# Altium PCB S7CAS-PLEIADES-CARTE-MERE_P07 - BACKUP.PcbDoc (part 1 of 3) (continued)
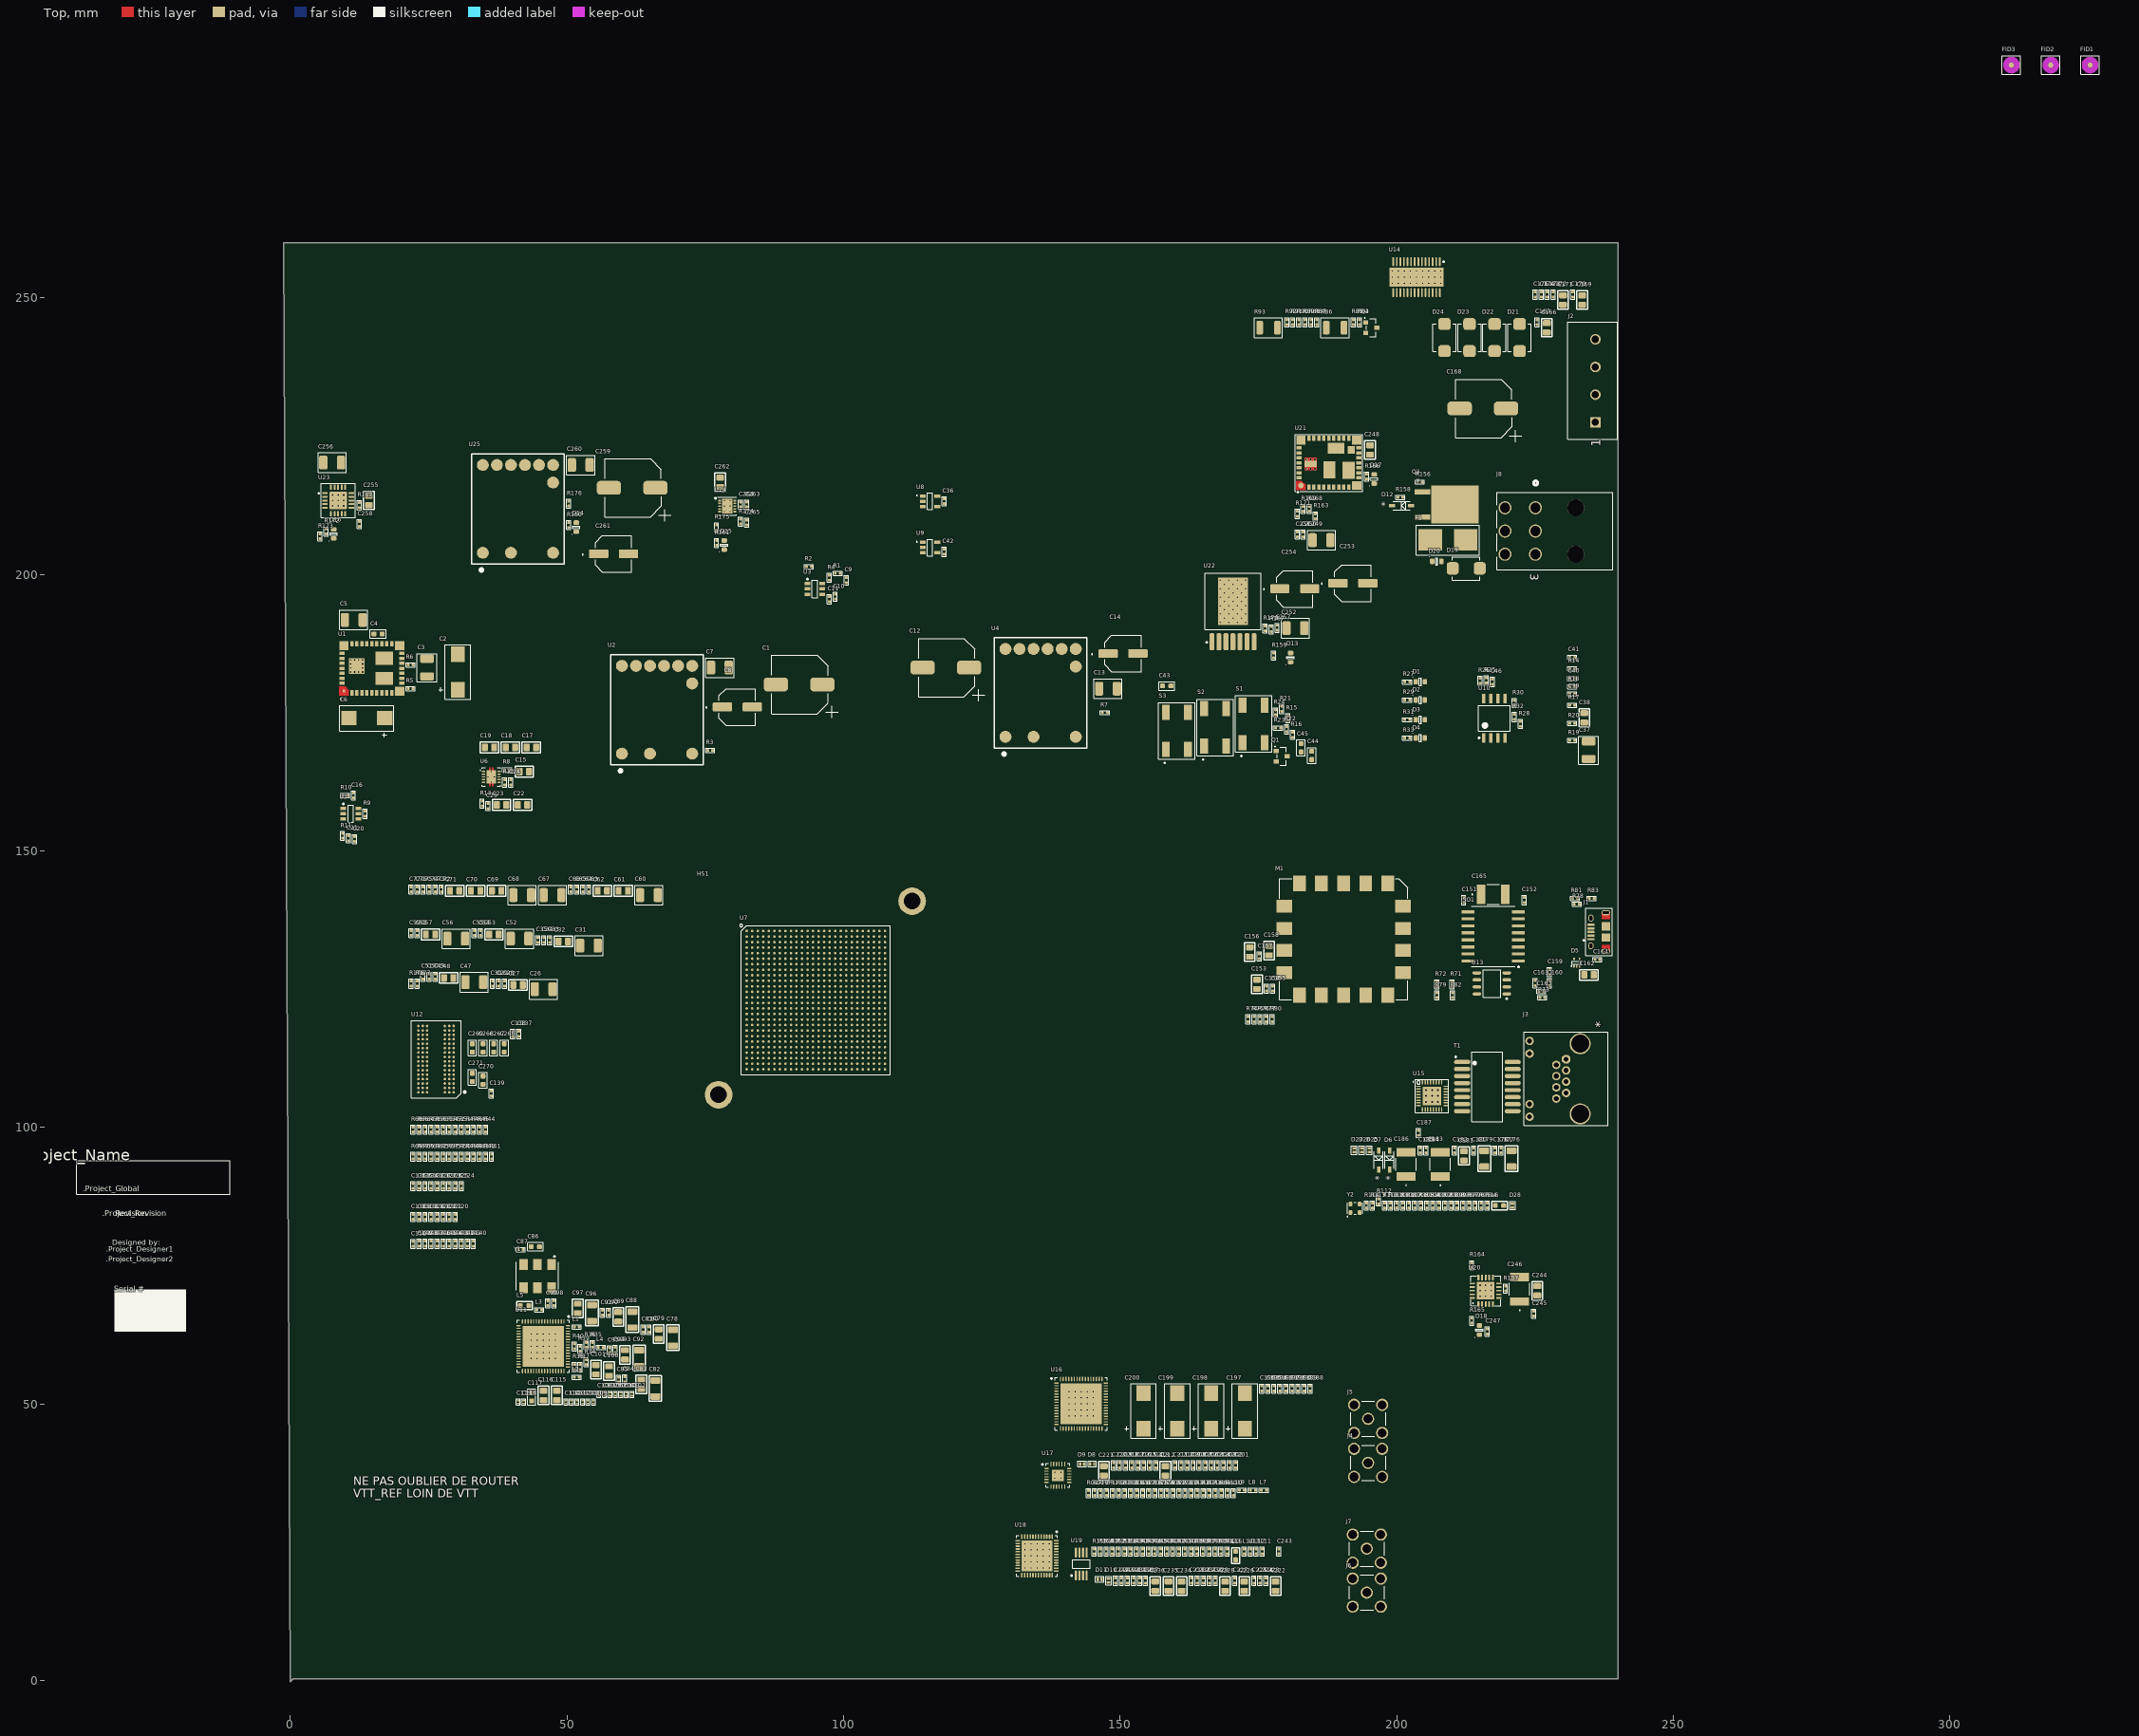
[diagram p0: Top view]
## Components (designator, comment, footprint, x,y, rotation, side; value= is the part's Value field where it differs from the comment) (continued)
C123 "CAP - 0402" CAP_0402 26.541,83.796 r90 top value=100nF
C124 "CAP - 0402" CAP_0402 30.91,89.384 r90 top value=470pF
C125 "CAP - 0402" CAP_0402 29.818,89.384 r90 top value=100nF
C126 "CAP - 0402" CAP_0402 28.725,89.384 r90 top value=100nF
C127 "CAP - 0402" CAP_0402 27.633,89.384 r90 top value=100nF
C128 "CAP - 0402" CAP_0402 26.541,89.384 r90 top value=470pF
C129 "CAP - 0402" CAP_0402 25.449,83.796 r90 top value=100nF
C130 "CAP - 0402" CAP_0402 24.357,83.796 r90 top value=100nF
C131 "CAP - 0402" CAP_0402 23.264,83.796 r90 top value=100nF
C132 "CAP - 0402" CAP_0402 25.449,89.384 r90 top value=100nF
C133 "CAP - 0402" CAP_0402 22.172,83.796 r90 top value=100nF
C134 "CAP - 0402" CAP_0402 24.357,89.384 r90 top value=470pF
C135 "CAP - 0402" CAP_0402 23.264,89.384 r90 top value=100nF
C136 "CAP - 0402" CAP_0402 22.172,89.384 r90 top value=470pF
C137 "CAP - 0402" CAP_0402 41.285,116.896 r90 top value=100nF
C138 "CAP - 0402" CAP_0402 40.192,116.896 r90 top value=100nF
C139 "CAP - 0402" CAP_0402 36.338,106.141 r90 top value=100nF
C140 "CAP - 0402" CAP_0402 33.094,78.97 r90 top value=10nF
C141 "CAP - 0402" CAP_0402 32.002,78.97 r90 top value=470pF
C142 "CAP - 0402" CAP_0402 30.91,78.97 r90 top value=10nF
C143 "CAP - 0402" CAP_0402 29.818,78.97 r90 top value=470pF
C144 "CAP - 0402" CAP_0402 28.725,78.97 r90 top value=10nF
C145 "CAP - 0402" CAP_0402 27.633,78.97 r90 top value=470pF
C146 "CAP - 0402" CAP_0402 26.541,78.97 r90 top value=10nF
C147 "CAP - 0402" CAP_0402 25.449,78.97 r90 top value=470pF
C148 "CAP - 0402" CAP_0402 24.357,78.97 r90 top value=10nF
C149 "CAP - 0402" CAP_0402 23.264,78.97 r90 top value=470pF
C150 "CAP - 0402" CAP_0402 22.172,78.907 r90 top value=100pF
C151 "CAP - 0402" CAP_0402 212.136,141.108 r270 top value=100nF
C152 "CAP - 0402" CAP_0402 223.058,141.108 r270 top value=100nF
C153 "CAP - 0805" CAP_0805 174.745,125.854 r270 top value=10uF
C154 "CAP - 0402" CAP_0402 176.485,125.092 r270 top value=100nF
C155 "CAP - 0402" CAP_0402 177.577,125.092 r270 top value=100nF
C156 "CAP - 0805" CAP_0805 173.449,131.696 r270 top value=10uF
C157 "CAP - 0402" CAP_0402 175.189,130.934 r270 top value=100nF
C158 "CAP - 0805" CAP_0805 176.929,131.95 r270 top value=10uF
C159 "CAP - 0402" CAP_0402 227.63,128.071 r270 top value=100nF
C160 "CAP - 0402" CAP_0402 227.63,126.09 r270 top value=100nF
C161 "CAP - 0402" CAP_0402 225.09,126.09 r270 top value=100nF
C162 "CAP - 0805" CAP_0805 234.783,127.562 r180 top value=10uF
C163 "CAP - 0402" CAP_0402 226.169,124.553 r180 top value=100nF
C164 "CAP - 0402" CAP_0402 236.307,130.312 r180 top value=100nF
C165 "CAP - 1812" CAP_1812 217.47,142.124 r0 top value=1nF
C166 "CAP - 0805" CAP_0805 227.148,244.596 r90 top value=220nF
C167 "CAP - 0402" CAP_0402 225.408,245.612 r90 top value=100nF
C168 "MAL215099101E3" CAP_ALU_1010_VISHAY 211.396,230 r0 top value=100uF
C169 "CAP - 0805" CAP_0805 233.545,249.596 r90 top value=220nF
C170 "CAP - 0402" CAP_0402 231.805,250.612 r90 top value=100nF
C171 "CAP - 0805" CAP_0805 230.065,249.596 r90 top value=220nF
C172 "CAP - 0402" CAP_0402 228.325,250.612 r90 top value=100nF
C173 "CAP - 0402" CAP_0402 227.233,250.612 r90 top value=1nF
C174 "CAP - 0402" CAP_0402 226.141,250.612 r90 top value=1nF
C175 "CAP - 0402" CAP_0402 225.049,250.612 r90 top value=100nF
C176 "CAP - 1206" CAP_1206 220.78,94.329 r90 top value=22uF
C177 "CAP - 0402" CAP_0402 218.862,95.853 r90 top value=100nF
C178 "CAP - 0402" CAP_0402 217.77,95.853 r90 top value=100nF
C179 "CAP - 1206" CAP_1206 215.852,94.329 r90 top value=22uF
C180 "CAP - 0402" CAP_0402 213.935,95.853 r90 top value=2.2uF
C181 "CAP - 0805" CAP_0805 212.195,94.837 r90 top value=10uF
C182 "CAP - 0402" CAP_0402 210.455,95.853 r90 top value=100nF
C183 "CAP - 1812" CAP_1812 207.902,93.313 r90 top value=1nF
C184 "CAP - 0402" CAP_0402 205.349,95.853 r90 top value=1uF
C185 "CAP - 0402" CAP_0402 204.257,95.853 r90 top value=1uF
C186 "CAP - 1812" CAP_1812 201.705,93.313 r90 top value=1nF
C187 "CAP - 0402" CAP_0402 203.947,98.981 r90 top value=10nF
C188 "CAP - 0402" CAP_0402 184.365,52.774 r90 top value=100nF
C189 "CAP - 0402" CAP_0402 183.273,52.774 r90 top value=100nF
C190 "CAP - 0402" CAP_0402 182.181,52.774 r90 top value=100nF
C191 "CAP - 0402" CAP_0402 181.089,52.774 r90 top value=1nF
C192 "CAP - 0402" CAP_0402 179.996,52.774 r90 top value=1nF
C193 "CAP - 0402" CAP_0402 178.904,52.774 r90 top value=1nF
C194 "CAP - 0402" CAP_0402 177.812,52.774 r90 top value=39pF
C195 "CAP - 0402" CAP_0402 176.72,52.774 r90 top value=100nF
C196 "CAP - 0402" CAP_0402 175.628,52.774 r90 top value=1nF
C197 "CAP - TANTALUM - CASE D" CAP_TAN_2917(D) 172.58,48.71 r90 top value=10uF
C198 "CAP - TANTALUM - CASE D" CAP_TAN_2917(D) 166.471,48.71 r90 top value=10uF
C199 "CAP - TANTALUM - CASE D" CAP_TAN_2917(D) 160.363,48.71 r90 top value=10uF
C200 "CAP - TANTALUM - CASE D" CAP_TAN_2917(D) 154.255,48.71 r90 top value=10uF
C201 "CAP - 0402" CAP_0402 170.865,38.883 r90 top value=100nF
C202 "CAP - 0402" CAP_0402 169.773,38.883 r90 top value=100nF
C203 "CAP - 0402" CAP_0402 168.681,38.883 r90 top value=100nF
C204 "CAP - 0402" CAP_0402 167.588,38.883 r90 top value=1nF
C205 "CAP - 0402" CAP_0402 166.496,38.883 r90 top value=1nF
C206 "CAP - 0402" CAP_0402 165.404,38.883 r90 top value=1nF
C207 "CAP - 0402" CAP_0402 164.312,38.883 r90 top value=39pF
C208 "CAP - 0402" CAP_0402 163.22,38.883 r90 top value=100nF
C209 "CAP - 0402" CAP_0402 162.127,38.883 r90 top value=1nF
C210 "CAP - 0402" CAP_0402 161.035,38.883 r90 top value=100nF
C211 "CAP - 0402" CAP_0402 159.943,38.883 r90 top value=100nF
C212 "CAP - 0805" CAP_0805 158.203,37.867 r90 top value=10uF
C213 "CAP - 0402" CAP_0402 156.463,38.883 r90 top value=100nF
C214 "CAP - 0402" CAP_0402 155.371,38.883 r90 top value=100nF
C215 "CAP - 0402" CAP_0402 154.279,38.883 r90 top value=10nF
C216 "CAP - 0402" CAP_0402 153.187,38.883 r90 top value=10nF
C217 "CAP - 0402" CAP_0402 152.094,38.883 r90 top value=10nF
C218 "CAP - 0402" CAP_0402 151.002,38.883 r90 top value=10nF
C219 "CAP - 0402" CAP_0402 149.91,38.883 r90 top value=10nF
C220 "CAP - 0402" CAP_0402 148.818,38.883 r90 top value=10nF
C221 "CAP - 0805" CAP_0805 147.078,37.867 r90 top value=10uF
C222 "CAP - 0805" CAP_0805 178.131,17.016 r90 top value=10uF
C223 "CAP - 0402" CAP_0402 176.391,18.032 r90 top value=100nF
C224 "CAP - 0402" CAP_0402 175.299,18.032 r90 top value=39pF
C225 "CAP - 0402" CAP_0402 174.207,18.032 r90 top value=100nF
C226 "CAP - 0805" CAP_0805 172.467,17.016 r90 top value=10uF
C227 "CAP - 0402" CAP_0402 170.727,18.032 r90 top value=39pF
C228 "CAP - 0805" CAP_0805 168.987,17.016 r90 top value=10uF
C229 "CAP - 0402" CAP_0402 167.247,18.032 r90 top value=10nF
C230 "CAP - 0402" CAP_0402 166.155,18.032 r90 top value=10nF
C231 "CAP - 0402" CAP_0402 165.063,18.032 r90 top value=10nF
C232 "CAP - 0402" CAP_0402 163.971,18.032 r90 top value=10nF
C233 "CAP - 0402" CAP_0402 162.878,18.032 r90 top value=100nF
C234 "CAP - 0805" CAP_0805 161.139,17.016 r90 top value=10uF
C235 "CAP - 0805" CAP_0805 158.751,17.016 r90 top value=10uF
C236 "CAP - 0805" CAP_0805 156.363,17.016 r90 top value=10uF
C237 "CAP - 0402" CAP_0402 154.623,18.032 r90 top value=100nF
C238 "CAP - 0402" CAP_0402 153.531,18.032 r90 top value=100nF
C239 "CAP - 0402" CAP_0402 152.439,18.032 r90 top value=100nF
C240 "CAP - 0402" CAP_0402 151.347,18.032 r90 top value=100nF
C241 "CAP - 0402" CAP_0402 150.255,18.032 r90 top value=100nF
C242 "CAP - 0402" CAP_0402 149.162,18.032 r90 top value=100nF
C243 "CAP - 0402" CAP_0402 178.681,23.307 r90 top value=100nF
C244 "CAP - 0805" CAP_0805 225.44,70.448 r90 top value=10uF
C245 "CAP - 0402" CAP_0402 224.792,66.32 r90 top value=10nF
C246 "CAP - 1812" CAP_1812 222.239,70.702 r90 top value=20uF
C247 "CAP - 0402" CAP_0402 216.366,63.082 r90 top value=100nF
C248 "CAP - 0805" CAP_0805 195.203,222.492 r90 top value=10uF
C249 "CAP - 1210" CAP_1210 186.405,206.192 r0 top value=220uF
C250 "CAP - 0402" CAP_0402 183.117,207.208 r90 top value=1uF
C251 "CAP - 0402" CAP_0402 182.025,207.208 r90 top value=1uF
C252 "CAP - 1210" CAP_1210 181.701,190.284 r0 top value=47uF
C253 "EEE-FNE181XUP" CAP_ALU_D8 192.094,198.412 r0 top value=180uF
C254 "EEE-FNE181XUP" CAP_ALU_D8 181.585,197.396 r0 top value=180uF
C255 "CAP - 0805" CAP_0805 14.187,213.36 r90 top value=10uF
C256 "CAP - 1210" CAP_1210 7.559,220.218 r0 top value=47uF
C257 "CAP - 0402" CAP_0402 178.414,190.348 r90 top value=1nF
C258 "CAP - 0402" CAP_0402 12.447,209.105 r90 top value=1uF
C259 "MAL214699501E3" CAP_ALU_1010_VISHAY 57.594,215.646 r0 top value=330uF
C260 "CAP - 1210" CAP_1210 52.5,219.773 r0 top value=100uF
C261 "EEE-FKC151XAP" CAP_ALU_D8 58.433,203.708 r0 top value=150uF
C262 "CAP - 0805" CAP_0805 77.703,216.654 r90 top value=10uF
C263 "CAP - 0402" CAP_0402 82.476,212.653 r90 top value=1uF
C264 "CAP - 0402" CAP_0402 81.384,212.653 r90 top value=1uF
C265 "CAP - 0402" CAP_0402 82.476,209.351 r90 top value=1nF
C266 "CAP - 0603" CAP_0603 38.683,114.356 r90 top value=1uF
C267 "CAP - 0603" CAP_0603 36.756,114.356 r90 top value=1uF
C268 "CAP - 0603" CAP_0603 34.829,114.356 r90 top value=1uF
C269 "CAP - 0603" CAP_0603 32.902,114.356 r90 top value=1uF
C270 "CAP - 0603" CAP_0603 34.829,108.514 r90 top value=1uF
C271 "CAP - 0603" CAP_0603 32.902,109.035 r90 top value=1uF
D1 "SML-311UTT86" LED_0603 204.298,180.574 r0 top value=RED
D2 "SML-311UTT86" LED_0603 204.298,177.272 r0 top value=RED
D3 "SML-311UTT86" LED_0603 204.298,173.716 r0 top value=RED
D4 "SML-311UTT86" LED_0603 204.298,170.414 r0 top value=RED
D5 "TPD2E001DRLR" TVS_USB_TPD2E001DRLR 232.573,129.807 r90 top value="11V Breakdown"
D6 "1N4148W-13-F" SOD123_DIO 198.718,94.075 r90 top
D7 "1N4148W-13-F" SOD123_DIO 196.759,94.075 r90 top
D8 "TPD1E1B04DPYR" TVS_DATA_TPD1E1B04DPYR 144.969,39.137 r0 top
D9 "TPD1E1B04DPYR" TVS_DATA_TPD1E1B04DPYR 143.139,39.137 r0 top
D10 "TPD1E1B04DPYR" TVS_DATA_TPD1E1B04DPYR 147.926,18.032 r90 top
D11 "TPD1E1B04DPYR" TVS_DATA_TPD1E1B04DPYR 146.321,18.286 r0 top
D12 "BZT52C12-7-F" SOD123_DIO 200.925,212.423 r0 top
D13 "SML-311UTT86" LED_0603 180.828,184.95 r90 top value=RED
D14 "SML-311UTT86" LED_0603 51.691,208.534 r90 top value=RED
D15 "SML-311UTT86" LED_0603 78.442,205.295 r90 top value=RED
D16 "SML-311UTT86" LED_0603 7.842,207.327 r90 top value=RED
D17 "SML-311UTT86" LED_0603 195.941,217.241 r90 top value=RED
D18 "SML-311UTT86" LED_0603 214.98,63.336 r90 top value=RED
D19 "SMBJ24CA" TVS_PWR_SMBJ36CA 212.584,201.081 r0 top value="Vbr = 26.7V -  Clamp = 38.9V"
D20 "SML-311DTT86" LED_0603 207.25,202.346 r0 top value=ORANGE
D21 "SMBJ24CA" TVS_PWR_SMBJ36CA 222.237,242.818 r90 top value="Vbr = 26.7V -  Clamp = 38.9V"
D22 "SMBJ24CA" TVS_PWR_SMBJ36CA 217.707,242.818 r90 top value="Vbr = 26.7V -  Clamp = 38.9V"
D23 "SMBJ24CA" TVS_PWR_SMBJ36CA 213.177,242.818 r90 top value="Vbr = 26.7V -  Clamp = 38.9V"
D24 "SMBJ24CA" TVS_PWR_SMBJ36CA 208.647,242.818 r90 top value="Vbr = 26.7V -  Clamp = 38.9V"
D25 "TPD1E1B04DPYR" TVS_DATA_TPD1E1B04DPYR 195.089,95.853 r90 top
D26 "TPD1E1B04DPYR" TVS_DATA_TPD1E1B04DPYR 193.708,95.853 r90 top
D27 "TPD1E1B04DPYR" TVS_DATA_TPD1E1B04DPYR 192.328,95.853 r90 top
D28 "TPD1E1B04DPYR" TVS_DATA_TPD1E1B04DPYR 220.948,85.853 r90 top
F1 "0154005.DR" FUS_0154XXX.DR 209.282,206.235 r0 top value="5A 125V AC/DC FAST"
FID1 "FID 1MM" FID_CIRCLE_1MM 325.374,292.1 r0 top
FID2 "FID 1MM" FID_CIRCLE_1MM 318.262,292.1 r0 top
FID3 "FID 1MM" FID_CIRCLE_1MM 311.15,292.1 r0 top
HS1 "CPX030030025-172-C1-R0" THE_HS_ATS-CPX030030025-172-C1-R0 94.912,123.396 r0 top
ISO1 "ADUM3160BRWZ-RL" ISO_ADUM3160BRWZ-RL 217.47,134.527 r180 top value="2500Vrms voltage isolation"
J1 "10118194-0001LF" CON_USB_10118194-0001LF 237.831,135.324 r90 top value="USB - Micro B"
J2 "OSTTC040162" CONN_TERMINAL_OSTTA040161 235.941,235 r90 top
J3 "RJHSE-5385" CONN_ETHERNET_RJHSE-5385 230.648,108.76 r90 top
J4 "5-1814400-1" CONN_SMA_5-1814400-1 194.852,39.325 r270 top
J5 "5-1814400-1" CONN_SMA_5-1814400-1 194.852,47.274 r270 top
J6 "5-1814400-1" CONN_SMA_5-1814400-1 194.61,15.854 r270 top
J7 "5-1814400-1" CONN_SMA_5-1814400-1 194.61,23.803 r270 top
J8 "39-30-1060" CONN_MOL_39-30-1060 225.096,212.04 r270 top
L1 "FER - 0402" FER_0402 51.76,63.921 r180 top value=1k
L2 "FER - 0402" FER_0402 51.76,54.831 r180 top value=1k
L3 "FER - 0402" FER_0402 44.994,66.998 r180 top value=1k
L4 "FER - 0402" FER_0402 56.128,60.186 r180 top value=1k
L5 "FER - 0603" FER_0603 42.34,67.76 r180 top value=100R
L6 "FER - 0603" FER_0603 218.594,85.853 r0 top value=100R
L7 "IND_0402" IND_0402 175.999,34.391 r0 top value=220nH
L8 "IND_0402" IND_0402 174.017,34.391 r0 top value=220nH
L9 "IND_0402" IND_0402 172.036,34.391 r0 top value=220nH
L10 "IND_0402" IND_0402 170.499,33.883 r90 top value=220nH
L11 "IND_0402" IND_0402 175.709,23.307 r90 top value=220nH
L12 "IND_0402" IND_0402 174.616,23.307 r90 top value=220nH
L13 "IND_0402" IND_0402 173.524,23.307 r90 top value=220nH
L14 "IND_0402" IND_0402 172.432,23.307 r90 top value=220nH
L15 "FER - 0603" FER_0603 170.895,22.545 r90 top value=100R
M1 "410-357-B" MOD_JTAG_410-357-B 190.42,133.982 r180 top
Q1 "SI2324A-TP" TRX_NMOS_SI324A-TP 179.221,167.112 r0 top
Q2 "SI2324A-TP" TRX_NMOS_SI324A-TP 195.43,244.596 r0 top
Q3 "IRFR9024TRPBF" TRX_PMOS_IRFR9024TRPBF 210.501,212.642 r270 top
R1 "RES - 0402" RES_0402 98.951,200.152 r0 top value=100k
R2 "RES - 0402" RES_0402 93.766,201.422 r0 top value=100k
R3 "RES - 0402" RES_0402 75.895,168.148 r0 top value=12k1
R4 "RES - 0402" RES_0402 97.415,199.39 r90 top value=15k
R5 "RES - 0402" RES_0402 21.724,179.324 r0 top value=348k
R6 "RES - 0402" RES_0402 21.724,183.642 r0 top value=1k15
R7 "RES - 0402" RES_0402 147.256,175.006 r0 top value=6k98
R8 "RES - 0402" RES_0402 39.214,164.646 r0 top value=100k
R9 "RES - 0402" RES_0402 13.515,156.718 r90 top value=100k
R10 "RES - 0402" RES_0402 9.866,160.02 r180 top value=100k
R11 "RES - 0402" RES_0402 9.422,152.718 r90 top value=45K3
R12 "RES - 0402" RES_0402 38.77,162.376 r90 top value=10k
R13 "RES - 0402" RES_0402 34.653,158.55 r90 top value=10k
R14 "RES - 0402" RES_0402 231.744,182.944 r180 top value=330R
R15 "RES - 0402" RES_0402 180.33,174.033 r90 top value=10k
R16 "RES - 0402" RES_0402 181.219,170.985 r90 top value=100k
R17 "RES - 0402" RES_0402 231.744,176.34 r180 top value=4K7
R18 "RES - 0402" RES_0402 231.744,179.642 r180 top value=4K7
R19 "RES - 0402" RES_0402 231.744,169.99 r180 top value=4K7
R20 "RES - 0402" RES_0402 231.744,173.038 r180 top value=4K7
R21 "RES - 0402" RES_0402 179.238,175.694 r270 top value=100k
R22 "RES - 0402" RES_0402 180.127,172.001 r90 top value=10k
R23 "RES - 0402" RES_0402 178.59,172.192 r180 top value=100k
R24 "RES - 0402" RES_0402 178.146,175.059 r90 top value=10k
R25 "RES - 0402" RES_0402 216.21,180.828 r270 top value=100R
R26 "RES - 0402" RES_0402 215.117,180.764 r270 top value=2K4
R27 "RES - 0402" RES_0402 201.93,180.574 r180 top value=187R
R28 "RES - 0402" RES_0402 222.368,172.954 r90 top value=0R
R29 "RES - 0402" RES_0402 201.93,177.272 r180 top value=187R
R30 "RES - 0402" RES_0402 221.276,176.764 r90 top value=33R
R31 "RES - 0402" RES_0402 201.93,173.716 r180 top value=187R
R32 "RES - 0402" RES_0402 221.276,174.224 r90 top value=100R
R33 "RES - 0402" RES_0402 201.93,170.414 r180 top value=187R
R34 "RES - 0402" RES_0402 53.5,57.536 r90 top value=1k
R35 "RES - 0402" RES_0402 54.592,60.648 r90 top value=1k
R36 "RES - 0402" RES_0402 53.5,60.648 r90 top value=1k
R37 "RES - 0402" RES_0402 52.407,56.644 r90 top value=0R
R38 "RES - 0402" RES_0402 51.315,56.644 r90 top
R39 "RES - 0402" RES_0402 52.407,59.949 r90 top value=0R
R40 "RES - 0402" RES_0402 51.315,60.394 r90 top value=1k
R41 "RES - 0402" RES_0402 36.371,94.718 r90 top value=40R2
R42 "RES - 0402" RES_0402 35.279,94.718 r90 top value=40R2
R43 "RES - 0402" RES_0402 34.186,94.718 r90 top value=40R2
R44 "RES - 0402" RES_0402 35.279,99.624 r90 top value=40R2
R45 "RES - 0402" RES_0402 34.186,99.624 r90 top value=40R2
R46 "RES - 0402" RES_0402 33.094,99.624 r90 top value=40R2
R47 "RES - 0402" RES_0402 32.002,99.624 r90 top value=40R2
R48 "RES - 0402" RES_0402 33.094,94.718 r90 top value=40R2
R49 "RES - 0402" RES_0402 32.002,94.718 r90 top value=40R2
R50 "RES - 0402" RES_0402 30.91,94.718 r90 top value=40R2
R51 "RES - 0402" RES_0402 30.91,99.624 r90 top value=40R2
R52 "RES - 0402" RES_0402 29.818,99.624 r90 top value=40R2
R53 "RES - 0402" RES_0402 29.818,94.718 r90 top value=40R2
R54 "RES - 0402" RES_0402 28.725,99.624 r90 top value=40R2
R55 "RES - 0402" RES_0402 27.633,99.624 r90 top value=40R2
R56 "RES - 0402" RES_0402 26.541,99.624 r90 top value=40R2
R57 "RES - 0402" RES_0402 28.725,94.718 r90 top value=40R2
R58 "RES - 0402" RES_0402 25.449,99.624 r90 top value=240R
R59 "RES - 0402" RES_0402 27.633,94.718 r90 top value=10k
R60 "RES - 0402" RES_0402 169.407,33.883 r90 top value=26R7
R61 "RES - 0402" RES_0402 168.315,33.883 r90 top value=26R7
R62 "RES - 0402" RES_0402 26.541,94.718 r90 top value=40R2
R63 "RES - 0402" RES_0402 25.449,94.718 r90 top value=40R2
R64 "RES - 0402" RES_0402 24.357,99.624 r90 top value=40R2
R65 "RES - 0402" RES_0402 24.357,94.718 r90 top value=40R2
R66 "RES - 0402" RES_0402 23.264,99.624 r90 top value=40R2
R67 "RES - 0402" RES_0402 23.264,94.718 r90 top value=40R2
R68 "RES - 0402" RES_0402 22.172,99.624 r90 top value=40R2
R69 "RES - 0402" RES_0402 22.172,94.718 r90 top value=40R2
R71 "RES - 0402" RES_0402 210.028,125.887 r270 top value=10k
R72 "RES - 0402" RES_0402 207.31,125.887 r270 top value=10k
R73 "RES - 0402" RES_0402 226.36,123.461 r180 top value=50R
R74 "RES - 0402" RES_0402 173.131,119.555 r270 top value=0R
R75 "RES - 0402" RES_0402 174.223,119.555 r270 top value=0R
R76 "RES - 0402" RES_0402 175.316,119.555 r270 top value=0R
R77 "RES - 0402" RES_0402 176.408,119.555 r270 top value=0R
R78 "RES - 0402" RES_0402 232.573,140.335 r180 top value=24R
R79 "RES - 0402" RES_0402 207.31,123.906 r270 top value=24R
R80 "RES - 0402" RES_0402 177.5,119.555 r270 top value=0R
R81 "RES - 0402" RES_0402 232.243,141.427 r180 top value=24R
R82 "RES - 0402" RES_0402 210.104,123.906 r270 top value=24R
R83 "RES - 0402" RES_0402 235.281,141.427 r180 top value=0R
R84 "RES - 0402" RES_0402 193.262,245.612 r90 top value=10k
R85 "RES - 0402" RES_0402 192.17,245.612 r90 top value=10k
R86 "RES - 1210" RES_1210 188.882,244.596 r0 top value=0R11
R87 "RES - 0402" RES_0402 185.595,245.612 r90 top value=10k
R88 "RES - 0402" RES_0402 184.502,245.612 r90 top value=10k
R89 "RES - 0402" RES_0402 183.41,245.612 r90 top value=10k
R90 "RES - 0402" RES_0402 182.318,245.612 r90 top value=10k
R91 "RES - 0402" RES_0402 181.226,245.612 r90 top value=47k
R92 "RES - 0402" RES_0402 180.134,245.612 r90 top value=47k
R93 "RES - 1210" RES_1210 176.846,244.596 r0 top value=0R11
R94 "RES - 0402" RES_0402 216.384,85.853 r90 top value=10k
R95 "RES - 0402" RES_0402 215.292,85.853 r90 top value=1k
R96 "RES - 0402" RES_0402 214.2,85.853 r90 top value=1k
R97 "RES - 0402" RES_0402 213.108,85.853 r90 top value=33R
R98 "RES - 0402" RES_0402 212.016,85.853 r90 top value=220R
R99 "RES - 0402" RES_0402 210.923,85.853 r90 top value=33R
R100 "RES - 0402" RES_0402 209.831,85.853 r90 top value=33R
R101 "RES - 0402" RES_0402 208.739,85.853 r90 top value=33R
R102 "RES - 0402" RES_0402 207.647,85.853 r90 top value=33R
R103 "RES - 0402" RES_0402 206.555,85.853 r90 top value=33R
R104 "RES - 0402" RES_0402 205.462,85.853 r90 top value=75R
R105 "RES - 0402" RES_0402 204.37,85.853 r90 top value=75R
R106 "RES - 0402" RES_0402 203.278,85.853 r90 top value=75R
R107 "RES - 0402" RES_0402 202.186,85.853 r90 top value=75R
R108 "RES - 0402" RES_0402 201.094,85.853 r90 top value=1k
R109 "RES - 0402" RES_0402 200.001,85.853 r90 top value=33R
R110 "RES - 0402" RES_0402 198.909,85.853 r90 top value=33R
R111 "RES - 0402" RES_0402 197.817,85.853 r90 top value=33R
R112 "RES - 0402" RES_0402 196.725,86.615 r90 top value=33R
R113 "RES - 0402" RES_0402 195.633,85.853 r90 top value=33R
R114 "RES - 0402" RES_0402 194.54,85.853 r90 top value=6k49
R115 "RES - 0402" RES_0402 167.223,33.883 r90 top value=50R
R116 "RES - 0402" RES_0402 166.131,33.883 r90 top value=15R
R117 "RES - 0402" RES_0402 165.038,33.883 r90 top value=100R
R118 "RES - 0402" RES_0402 163.946,33.883 r90 top value=56R2
R119 "RES - 0402" RES_0402 162.854,33.883 r90 top value=348R
R120 "RES - 0402" RES_0402 161.762,33.883 r90 top value=50R
R121 "RES - 0402" RES_0402 160.67,33.883 r90 top value=15R
R122 "RES - 0402" RES_0402 159.577,33.883 r90 top value=357R
R123 "RES - 0402" RES_0402 158.485,33.883 r90 top value=50R
R124 "RES - 0402" RES_0402 157.393,33.883 r90 top value=15R
R125 "RES - 0402" RES_0402 156.301,33.883 r90 top value=100R
R126 "RES - 0402" RES_0402 155.209,33.883 r90 top value=56R2
R127 "RES - 0402" RES_0402 154.116,33.883 r90 top value=348R
R128 "RES - 0402" RES_0402 153.024,33.883 r90 top value=50R
R129 "RES - 0402" RES_0402 151.932,33.883 r90 top value=15R
R130 "RES - 0402" RES_0402 150.84,33.883 r90 top value=357R
R131 "RES - 0402" RES_0402 149.748,33.883 r90 top value=100R
R132 "RES - 0402" RES_0402 148.655,33.883 r90 top value=33R
R133 "RES - 0402" RES_0402 169.359,23.307 r90 top value=1K
R134 "RES - 0402" RES_0402 168.266,23.307 r90 top value=50R
R135 "RES - 0402" RES_0402 167.174,23.307 r90 top value=500R
R136 "RES - 0402" RES_0402 166.082,23.307 r90 top value=50R
R137 "RES - 0402" RES_0402 164.99,23.307 r90 top value=500R
R138 "RES - 0402" RES_0402 163.898,23.307 r90 top value=50R
R139 "RES - 0402" RES_0402 162.805,23.307 r90 top value=1K
R140 "RES - 0402" RES_0402 161.713,23.307 r90 top value=50R
R141 "RES - 0402" RES_0402 160.621,23.307 r90 top value=50R
R142 "RES - 0402" RES_0402 159.529,23.307 r90 top value=1K
R143 "RES - 0402" RES_0402 158.437,23.307 r90 top value=50R
R144 "RES - 0402" RES_0402 157.344,23.307 r90 top value=500R
R145 "RES - 0402" RES_0402 156.252,23.307 r90 top value=50R
R146 "RES - 0402" RES_0402 155.16,23.307 r90 top value=500R
R147 "RES - 0402" RES_0402 154.068,23.307 r90 top value=50R
R148 "RES - 0402" RES_0402 152.976,23.307 r90 top value=1K
R149 "RES - 0402" RES_0402 151.883,23.307 r90 top value=50R
R150 "RES - 0402" RES_0402 150.791,23.307 r90 top value=50R
R151 "RES - 0402" RES_0402 149.699,23.307 r90 top value=10k
R152 "RES - 0402" RES_0402 148.607,23.307 r90 top value=1K
R153 "RES - 0402" RES_0402 147.515,23.307 r90 top value=10k
R154 "RES - 0402" RES_0402 146.422,23.307 r90 top value=100R
R155 "RES - 0402" RES_0402 145.33,23.307 r90 top value=1k
R156 "RES - 0402" RES_0402 204.202,216.706 r0 top value=11k1
R157 "RES - 0402" RES_0402 219.687,70.854 r90 top value=500k
R158 "RES - 0402" RES_0402 200.671,213.949 r0 top value=100k
R159 "RES - 0402" RES_0402 177.78,185.331 r90 top value=1k82
R160 "RES - 0402" RES_0402 50.305,208.914 r90 top value=750R
R161 "RES - 0402" RES_0402 77.055,205.675 r90 top value=750R
R162 "RES - 0402" RES_0402 12.447,212.505 r90 top value=1k58
R163 "RES - 0402" RES_0402 185.302,210.51 r270 top value=2k1
R164 "RES - 0402" RES_0402 213.594,75.083 r270 top value=1k58
R165 "RES - 0402" RES_0402 213.594,65.05 r90 top value=118k
R166 "RES - 0402" RES_0402 194.555,217.685 r90 top value=205k
R167 "RES - 0402" RES_0402 177.321,190.094 r90 top value=6k26
R168 "RES - 0402" RES_0402 184.209,211.843 r90 top value=12k7
R169 "RES - 0402" RES_0402 183.117,211.843 r90 top value=86k6
R170 "RES - 0402" RES_0402 176.229,190.221 r90 top value=1k07
R171 "RES - 0402" RES_0402 182.025,210.954 r90 top value=68k1
R172 "RES - 0402" RES_0402 6.456,207.772 r90 top value=25.5k
R173 "RES - 0402" RES_0402 5.364,206.883 r90 top value=10k
R174 "RES - 0402" RES_0402 81.384,209.542 r90 top value=3k57
R175 "RES - 0402" RES_0402 77.055,208.462 r90 top value=1k15
R176 "RES - 0402" RES_0402 50.305,212.788 r90 top value=1k21
R177 "RES - 0402" RES_0402 22.908,125.998 r90 top value=10k
R178 "RES - 0402" RES_0402 21.816,125.998 r90 top value=10k
RF1 "RES - 0402" RES_0402 147.563,33.883 r90 top value=357R
RF2 "RES - 0402" RES_0402 146.471,33.883 r90 top value=357R
RG1 "RES - 0402" RES_0402 145.379,33.883 r90 top value=348R
RG2 "RES - 0402" RES_0402 144.287,33.883 r90 top value=348R
S1 "B3SN-3012P" SWI_TACT_B3SN-3012P 174.134,172.954 r90 top value=SPST-NO
S2 "B3SN-3012P" SWI_TACT_B3SN-3012P 167.204,172.319 r90 top value=SPST-NO
S3 "B3SN-3012P" SWI_TACT_B3SN-3012P 160.274,171.684 r90 top value=SPST-NO
T1 "H1102NLT" TRANSFO_H1102NLT 216.412,107.363 r0 top value="1:1 (350uH)"
U1 "LMZ30602RKGT" REG_SWI_LMZ30606RKGT 14.732,182.987 r0 top value=0.8-3.6V
U2 "PTH04T231WAZ" REG_SWR_PTH04T231WAZ 66.294,175.514 r90 top value="0.69 - 3.6V (Out)"
U3 "TPS3808G01DBVR" POW_TPS3808G01DBVR 94.822,197.358 r0 top
U4 "PTH04T231WAZ" REG_SWR_PTH04T231WAZ 135.636,178.562 r90 top value="0.69 - 3.6V (Out)"
U5 "TPS3808G01DBVR" POW_TPS3808G01DBVR 10.922,156.718 r0 top
U6 "TPS51200DRCT" REG_PMIC_TPS51200DRCT 36.322,163.376 r0 top value="DDR, DDR2, DDR3(L), DDR4"
U7 "XC6SLX100-3FGG676C" FPGA_XILINX_FGG676 95,123 r0 top
U8 "TC74A0-3.3VCTTR" SEN_TEMP_TC74A0-3.3VCTTR 115.659,213.22 r0 top
U9 "TC74A0-3.3VCTTR" SEN_TEMP_TC74A0-3.3VCTTR 115.659,204.838 r0 top
U10 "W25Q32JVSSIQ TR" "MEM_FLASH_W25Q32JVSSIQ TR" 217.678,173.97 r90 top
U11 "CDCE62005RGZT" TIM_CDCE62005RGZT 45.722,60.394 r270 top
U12 "MT41J128M16JT-125" MEM_DDR3_MT41J128M16JT-125 26.328,112.324 r180 top
U13 "SI8620BB-B-IS" ISO_SI8620BB-B-IS 217.216,126.022 r180 top
U14 "DRV8811PWPR" POW_MOTOR_DRV8811PWPR 203.598,253.74 r270 top
U15 "KSZ8091MNXCA" COM_ETH_PHY_KSZ8091MNXCA 206.397,105.669 r0 top
U16 "ADS62P48IRGCT" ADC_ADS62P48IRGCT 142.973,50 r0 top
U17 "ADA4927-2YCPZ-R2" OPAMP_ADA4927-2YCPZ-R2 138.75,37.05 r0 top
U18 "AD9146BCPZ" DAC_AD9146BCPZ 135,22.5 r270 top
U19 "AD8056ARMZ" OPAMP_AD8056ARMZ 142.983,21.021 r90 top
U20 "TPS7A3301RGWR" REG_LDO_TPS7A3301RGWR 216.094,70.448 r0 top value=-1.18V~-33V
U21 "LMZ34002RKGR" REG_SWR_LMZ34002RKGR 187.744,220.162 r0 top value="-3 ~ -17V"
U22 "LMZ23605TZE/NOPB" REG_SWR_LMZ23605TZE/NOPB 170.414,195.11 r0 top value="0.8 ~ 6 V"
U23 "TPS7A4701RGWR" REG_TPS7A4701RGWR 8.636,213.36 r0 top value="1.4 à 34V"
U24 "NCP59744MN1ADJTBG" REG_LDO_NCP59744MN1ADJTBG 78.986,212.328 r0 top value="0.8V ~ 3.6V"
U25 "PTH04T231WAZ" REG_SWR_PTH04T231WAZ 41.148,211.836 r90 top value="0.69 - 3.6V (Out)"
Y1 "590BD-BDG" OSC_590BD-BDG 44.688,73.094 r270 top value="±7ppm (freq Stability), ±20ppm (freq stability total)"
Y2 "ASDMB-25.000MHZ-LC-T" OSC_ASDMB-25.000MHZ-LC-T 192.479,85.345 r0 top value=25MHz

## Footprints (in the part's own frame and the unit in brackets; to place one, negate y for a bottom-side part, rotate by r counter-clockwise, add the part's x,y. Pads: shape width x height; smd on the part's side, far side on the other; paste and mask are expansions set on the pad)
ADC_ADS62P48IRGCT [mm] "QFN, 64-Leads, Body 9,00x9,00mm, Pitch 0,50mm, Thermal Pad 7,40x7,40mm, IPC Medium Density"
  oval 0.8x0.23 smd mask+0.07: 1(-4.475,3.75) 2(-4.475,3.25) 3(-4.475,2.75) 4(-4.475,2.25) 5(-4.475,1.75) 6(-4.475,1.25) 7(-4.475,0.75) 8(-4.475,0.25) 9(-4.475,-0.25) 10(-4.475,-0.75) 11(-4.475,-1.25) 12(-4.475,-1.75) 13(-4.475,-2.25) 14(-4.475,-2.75) 15(-4.475,-3.25) 16(-4.475,-3.75) 33(4.475,-3.75) 34(4.475,-3.25) 35(4.475,-2.75) 36(4.475,-2.25) 37(4.475,-1.75) 38(4.475,-1.25) 39(4.475,-0.75) 40(4.475,-0.25) 41(4.475,0.25) 42(4.475,0.75) 43(4.475,1.25) 44(4.475,1.75) 45(4.475,2.25) 46(4.475,2.75) 47(4.475,3.25) 48(4.475,3.75)
  oval 0.23x0.8 smd mask+0.07: 17(-3.75,-4.475) 18(-3.25,-4.475) 19(-2.75,-4.475) 20(-2.25,-4.475) 21(-1.75,-4.475) 22(-1.25,-4.475) 23(-0.75,-4.475) 24(-0.25,-4.475) 25(0.25,-4.475) 26(0.75,-4.475) 27(1.25,-4.475) 28(1.75,-4.475) 29(2.25,-4.475) 30(2.75,-4.475) 31(3.25,-4.475) 32(3.75,-4.475) 49(3.75,4.475) 50(3.25,4.475) 51(2.75,4.475) 52(2.25,4.475) 53(1.75,4.475) 54(1.25,4.475) 55(0.75,4.475) 56(0.25,4.475) 57(-0.25,4.475) 58(-0.75,4.475) 59(-1.25,4.475) 60(-1.75,4.475) 61(-2.25,4.475) 62(-2.75,4.475) 63(-3.25,4.475) 64(-3.75,4.475)
  rect 7.4x7.4 smd mask+0.07: PAD(0,0)
  silkscreen extent -5.5,-4.72 4.72,4.72, body extent -4.57,-4.57 4.57,4.57, height 1
CAP_0201 [mil]
  rect 12x18 smd: 1(-11,0) 2(11,0)
  silkscreen extent -22,-14 22,14, body extent -12,-6 12,6, height 12
CAP_0402 [mil]
  rrect60% 20x20 smd: 1(-17.5,0) 2(17.5,0)
  silkscreen extent -32,-15 32,15, body extent -19,-10 20,10, height 20